# Altium PCB Hall Board.PcbDoc (part 3 of 4)
Units mil, origin at the board's own origin, x right, y up, seen from the top; angles counter-clockwise.
Board outline 5405 x 4190 mil, 4 copper layers (Top Layer, Internal Plane 1, Internal Plane 2, Bottom Layer), stack 18.2 mil thick; 428 components, 294 nets, 1249 pads, 155 vias.
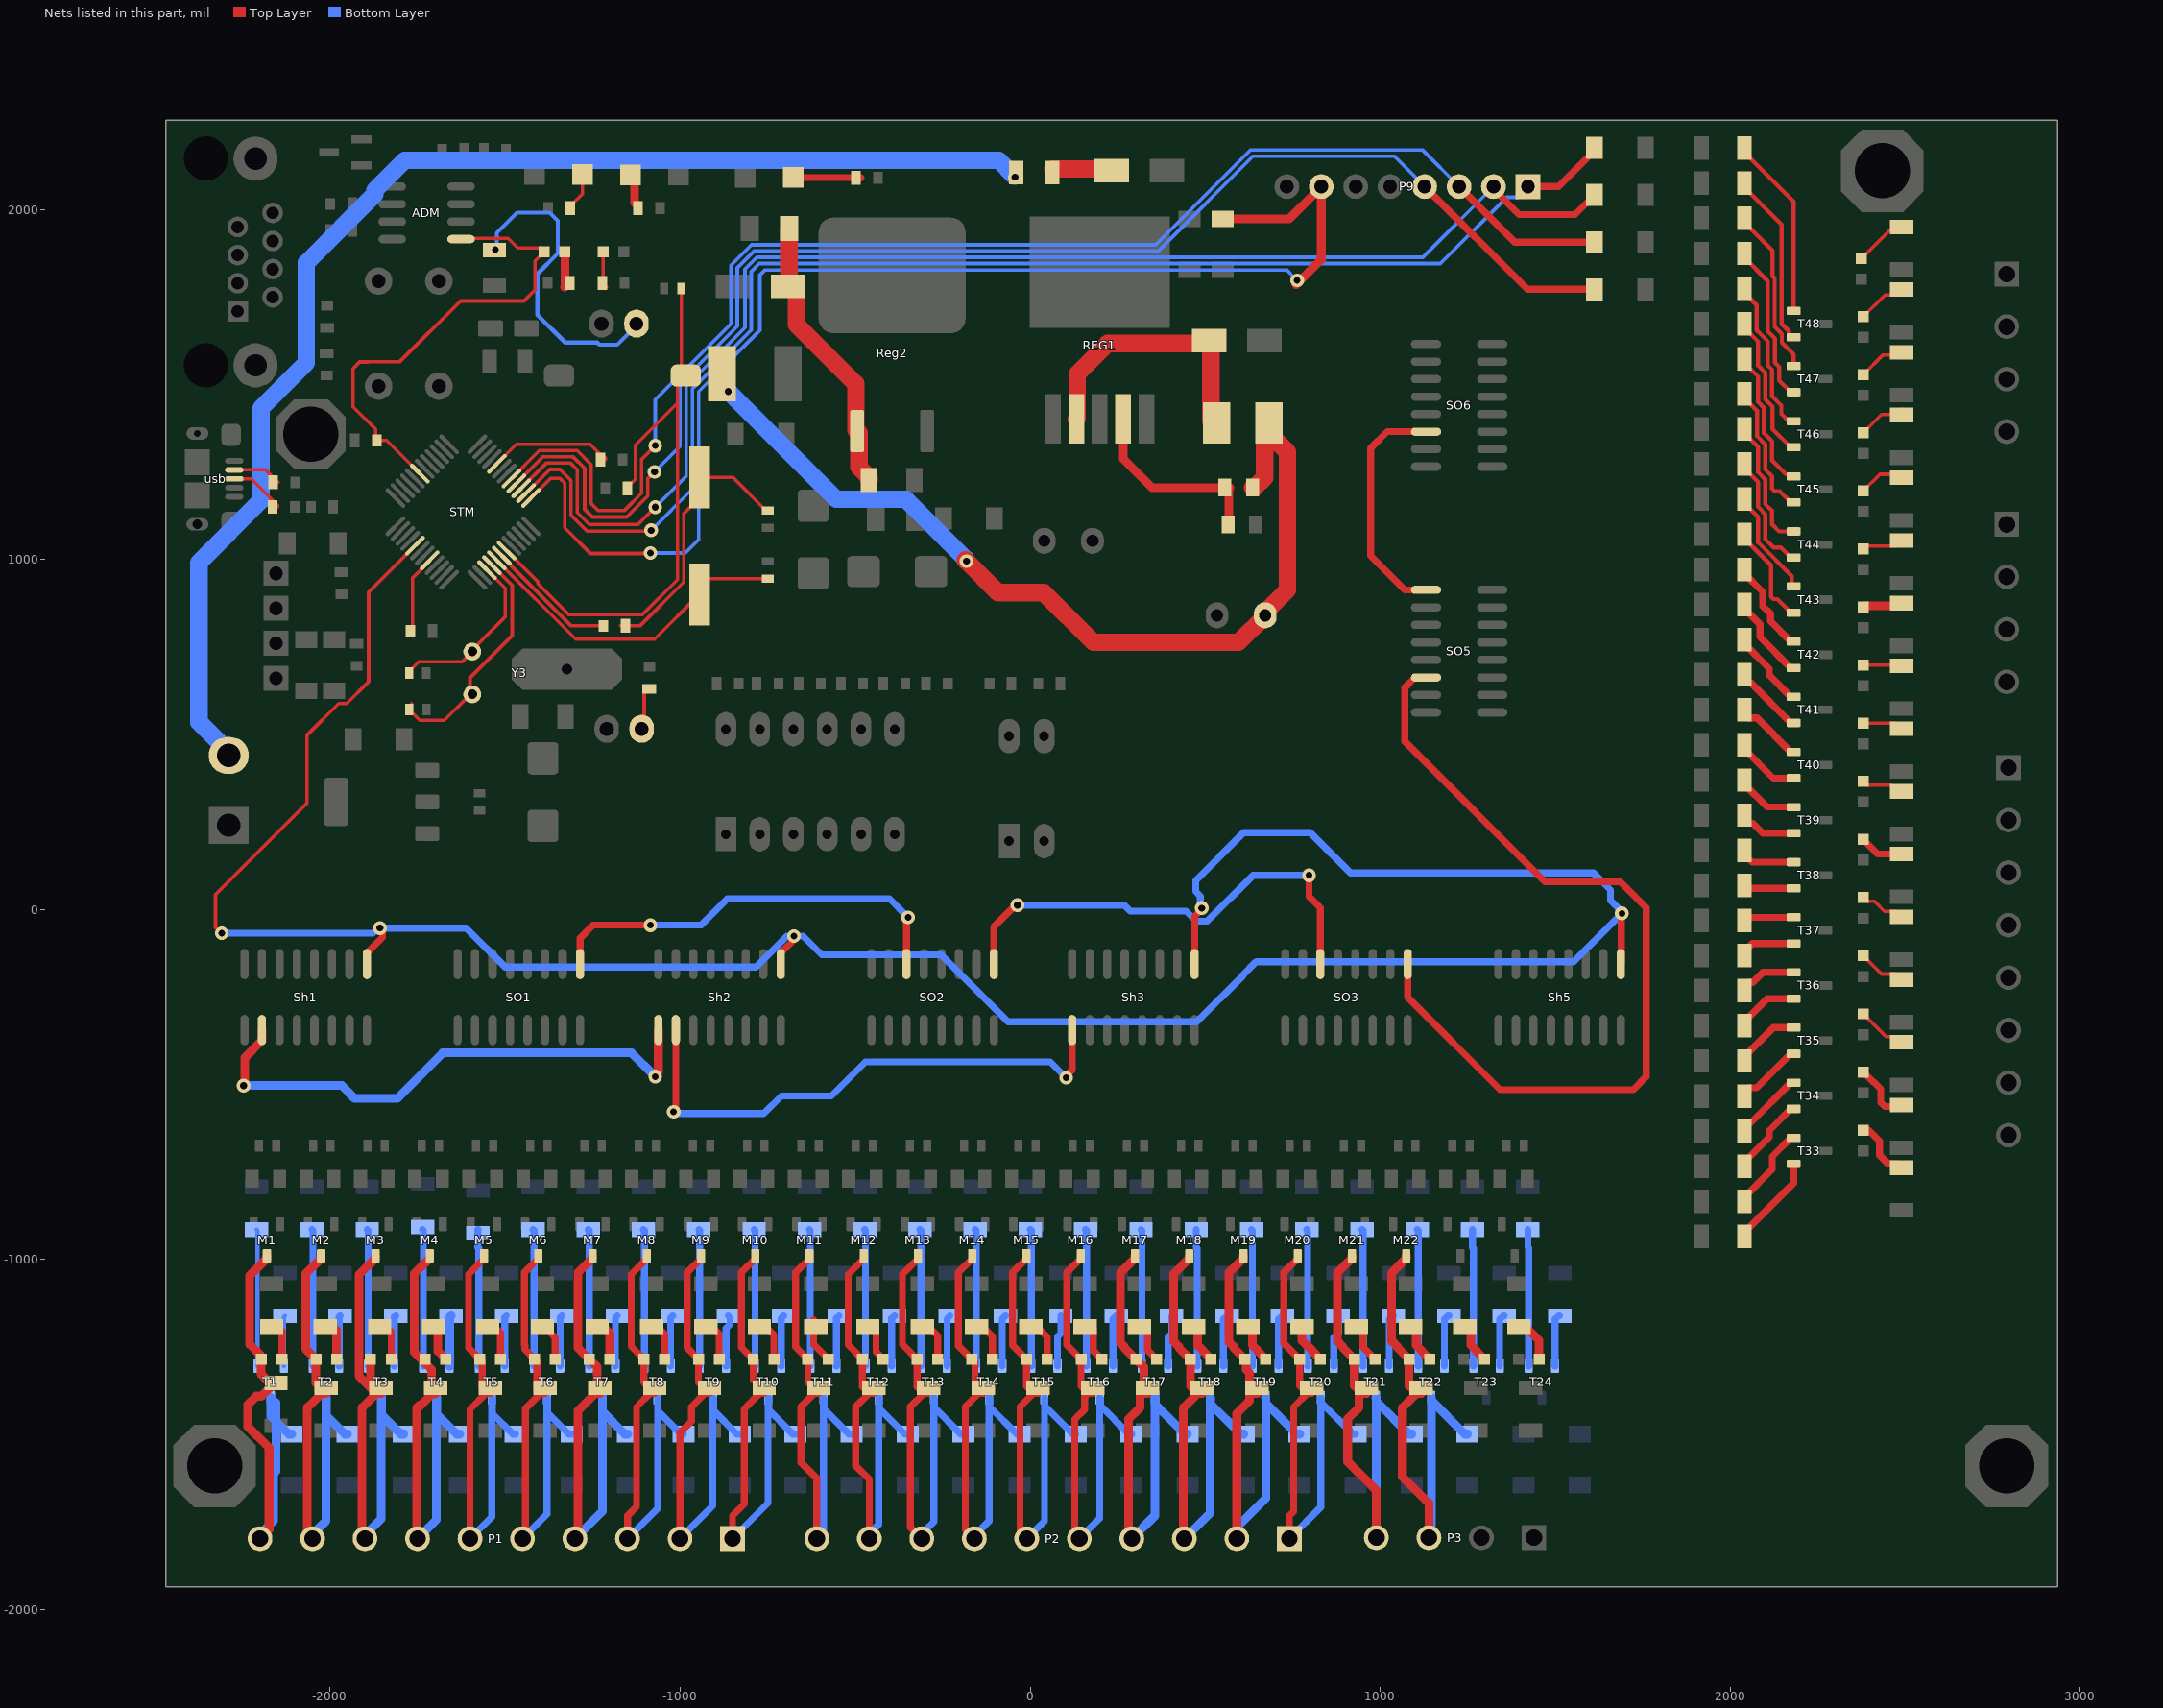
[diagram p5: the nets of this part, all layers, seen from the top]

## Via types
v1: diameter 39.37, hole 19.68, Top Layer to Bottom Layer, 154 vias
v2: diameter 78.74, hole 39.37, Top Layer to Bottom Layer, 1 vias

## Nets (pads, with @x,y where several pads share a name; then routed paths per layer and width w, separated by ;. In a path a pad name is that pad's centre, name@x,y a point inside that pad or via, vN(x,y) a via of type N, cw(c..) or ccw(c..) an arc to the next point about the centre after c; other vN are vias at no path point) (continued)
LoadPin: Sh1.1 Sh2.1 Sh3.1 Sh5.1 STM.41 | length 7696.2
  Top Layer w10: v1@-2305,-75 -2327.49,-52.51 -2327.49,42.55 -2065.96,304.08 -2065.96,498.41 -1976.16,588.2 -1952.68,588.2 -1890.05,650.83 -1890.05,906.71 STM.41@-1757.8,1038.96
  Top Layer w20: Sh1.1@-1895,-156.02 -1895,-124.53 -1850.43,-79.95 v1@-1850.43,-60 ; Sh2.1@-712.5,-156.02 -712.5,-124.53 v1@-664.25,-76.28 ; Sh3.1@470,-156.02 470,-19.6 v1@491.57,1.97 ; Sh5.1@1687.74,-156.02 1688.44,-155.33 1688.44,-13.66 v1(1690.5,-11.6)
  Bottom Layer w20: v1(-2310,-68.08) -1878.08,-68.08 -1863.34,-53.34 v1(-1858.1,-53.34) -1611.66,-53.34 -1500,-165 -783.58,-165 -694.86,-76.28 v1(-675,-76.28) -648.98,-76.28 -595.26,-130 -254.68,-130 -63.32,-321.35 475.77,-321.35 606.5,-190.62 606.5,-188.96 645.46,-150 1552.1,-150 v1(1690.5,-11.6) 1690.5,-6.36 1658.06,26.08 1658.06,55.62 1609.46,104.22 915,104.22 800.22,219 609.56,219 472.78,82.22 472.78,51.1 486.29,37.59 486.29,7.25 v1(490,3.54)
MISO: DZ14.2 P9.4 STM.16 | length 4068.1
  Top Layer w10: STM.16@-1468.28,1217.12 -1392.67,1292.73 -1305.61,1292.73 -1272.87,1260 -1272.87,1142.87 -1251.08,1121.08 -1152.74,1121.08 -1092.68,1181.14 -1092.68,1230.78 v1(-1073.46,1250)
  Top Layer w20: P9.4@1126.85,2065 1420.41,1771.44 DZ14.2@1612.16,1771.44
  Bottom Layer w10: v1(-1073.46,1250) -1000.59,1322.87 -1000.59,1502.03 -836.75,1665.87 -836.75,1832.97 -788.97,1880.75 365.78,1880.75 637.16,2152.13 1039.72,2152.13 P9.4@1126.85,2065
MOSI: DZ13.2 P9.3 STM.17 | length 4031
  Top Layer w10: STM.17@-1482.2,1231.04 -1402.64,1310.61 -1294.35,1310.61 -1255,1271.26 -1255,1160 -1235,1140 -1159.1,1140 -1110.56,1188.54 -1110.56,1285.9 v1(-1071.45,1325)
  Top Layer w20: P9.3@1225.28,2065 1384.15,1906.13 DZ13.2@1612.16,1906.13
  Bottom Layer w10: v1(-1071.45,1325) -1071.45,1456.44 -854.63,1673.27 -854.63,1840.37 -796.38,1898.62 358.38,1898.62 629.76,2170 1120.28,2170 P9.3@1225.28,2065
Net3.3V_2: 3.3V.2 R83.2 | length 103.6
  Top Layer w25: 3.3V.2@-1142.36,2098 -1130.43,2086.07 -1130.43,2019.33 -1120.44,2009.35 R83.2@-1120.44,2003.44
Net5V_2: 5V.2 R82.2 | length 111.4
  Top Layer w10: R82.2@-1314.46,2003.44 -1314.46,2009.35 -1278.72,2045.09 5V.2@-1278.72,2100
Net24V_2: 24V.2 R80.2 | length 193.4
  Top Layer w20: 24V.2@-676.69,2091.13 -676.12,2090.56 -484.34,2090.56 -483.77,2090
NetC7_1: C7.1 R8.2 Y2.1 | length 785.4
  Top Layer w10: -1170.95,810 -1115,810 -990,935 -990,1130.59 -945,1175.59 Y2.1@-945,1234.65 -850.07,1234.65 -754.92,1139.5 C7.1@-750,1139.5
NetC15_2: C15.2 STM.3 Y3.1 | length 496.8
  Top Layer w10: C15.2@-1774.5,680.37 -1746.98,707.89 -1623.02,707.89 -1600.8,730.1 -1600.8,735.15 -1500,835.95 -1500,917.07 -1551.79,968.87 STM.3@-1551.79,969.36
NetC16_2: C16.2 STM.4 Y3.2 | length 675.6
  Top Layer w10: -1767.69,588.19 -1767.69,563.8 -1743.88,540 -1673.9,540 -1600.8,613.1 -1600.8,661.48 -1480,782.28 -1480,925.4 STM.4@-1537.88,983.28
NetCM21_1: CM21.1 L5.1@-880.76,1530 LH4.2 RN1.1 | length 2655.4
  Top Layer w50: v1@-185,998.25 v1(-181.75,995) -91.75,905 38.55,905 180.67,762.87 595.19,762.87 671.38,839.06 CM21.1@671.38,840 671.38,849.06 735,912.68 735,1306.85 LH4.2@669.8,1372.05 ; RN1.1@634.96,1205 640.67,1205 669.8,1234.13 LH4.2@669.8,1372.05 ; LH4.2@669.8,1391.73 LH4.2@669.8,1372.05
  Bottom Layer w50: v1(-862.5,1479.82) -554.64,1171.95 -355.05,1171.95 -185,1001.91 v1@-185,998.25
NetCR1_1: CR1.1 DM2.2 DP1.2 Reg2.1 | length 829.2
  Top Layer w50: DM2.2@-693.6,1777.66 DM2.2@-691.26,1780 ; CR1.1@-688.9,1945 -689.49,1944.41 -689.49,1781.77 DM2.2@-691.26,1780 ; DM2.2@-687.53,1777.66 -686.94,1777.07 DM2.2@-686.94,1775.32 ; DP1.2@-460.62,1226.65 -460.62,1234.72 -489.47,1263.57 -489.47,1361.37 Reg2.1@-494.47,1366.37 -498.17,1370.07 -498.17,1501.37 -668.34,1671.54 -668.34,1771.54 -676.81,1780 DM2.2@-691.26,1780
NetDM3_2: DM3.2 LH4.1 REG1.2 | length 783.6
  Top Layer w50: REG1.2@131.62,1401.06 133.98,1403.42 133.98,1529.88 220.63,1616.54 503.1,1616.54 DM3.2@511.57,1625 515.88,1620.68 515.88,1396.05 LH4.1@520.2,1391.73
NetDM6_1: DM6.1 F3.2 | length 146.1
  Top Layer w50: F3.2@65,2115 DM6.1@211.13,2115
NetF3_1: F3.1 PO.2 | length 3739.5
  Bottom Layer w50: PO.2@-2290,440 -2290,449.88 -2375,534.88 -2375,991.01 -2197.42,1168.59 -2197.42,1432.58 -2068.25,1561.75 -2068.25,1847.18 -1872.1,2043.33 -1872.1,2055 -1787.1,2140 -90,2140 v1@-45,2095
  other v1: -43.27,2091.66
NetJP1_1: JP1.1 RM1.2 | length 893.2
  Bottom Layer w12: v1@-1534.71,1890 -1523.87,1900.84 -1523.87,1932.76 -1466.12,1990.5 -1373.3,1990.5 -1349.87,1967.08 -1349.87,1873.99 -1407.91,1815.95 -1407.91,1698.73 -1328.79,1619.6 -1237.12,1619.6 -1231.01,1613.5 -1179.98,1613.5 -1125,1668.48 JP1.1@-1125,1673.48
  other v1: -1528.06,1884.59
NetL1_1: L1.1 RR1.2 | length 118.1
  Top Layer w20: RR1.2@-2168.68,-1187.13 -2155.88,-1187.13 -2152.36,-1190.65 -2138,-1205.01 L1.1@-2138,-1285
NetL2_1: L2.1 RR2.2 | length 121.1
  Top Layer w25: RR2.2@-2013.68,-1187.13 -2000.88,-1187.13 -1986.24,-1201.77 -1981.83,-1201.77 L2.1@-1981.83,-1285
NetL3_1: L3.1 RR3.2 | length 119
  Top Layer w20: RR3.2@-1858.68,-1187.13 -1845.88,-1187.13 -1842.36,-1190.65 -1825.67,-1207.34 L3.1@-1825.67,-1285
NetL4_1: L4.1 RR4.2 | length 99.2
  Top Layer w25: RR4.2@-1693.76,-1195 RR4.2@-1693.76,-1183.33 ; RR4.2@-1692.44,-1206.97 -1692.44,-1262.07 L4.1@-1669.51,-1285
NetL5_1: L5.1@-1513.34,-1285 RR5.2 | length 120
  Top Layer w20: RR5.2@-1548.68,-1187.13 -1535.88,-1187.13 -1532.36,-1190.65 -1513.34,-1209.67 L5.1@-1513.34,-1285
NetL6_1: L6.1 RR6.2 | length 120.5
  Top Layer w20: RR6.2@-1393.68,-1187.13 -1380.88,-1187.13 -1370.21,-1197.8 -1370.21,-1210.59 -1357.18,-1223.63 L6.1@-1357.18,-1285
NetL7_1: L7.1 RR7.2 | length 121
  Top Layer w25: RR7.2@-1238.68,-1187.13 -1225.88,-1187.13 -1201.02,-1211.99 L7.1@-1201.02,-1285
NetL8_1: L8.1 RR8.2 | length 121.5
  Top Layer w20: RR8.2@-1083.68,-1187.13 -1070.88,-1187.13 -1067.36,-1190.65 -1044.85,-1213.16 L8.1@-1044.85,-1285
NetL9_1: L9.1 RR9.2 | length 121.9
  Top Layer w20: RR9.2@-928.68,-1187.13 -915.88,-1187.13 -912.36,-1190.65 -888.69,-1214.32 L9.1@-888.69,-1285
NetL10_1: L10.1 RR10.2 | length 122.4
  Top Layer w20: RR10.2@-773.68,-1187.13 -760.88,-1187.13 -757.36,-1190.65 -732.53,-1215.48 L10.1@-732.53,-1285
NetL11_1: L11.1 RR11.2 | length 115.4
  Top Layer w20: RR11.2@-618.92,-1192.05 RR11.2@-618.92,-1172.2 ; RR11.2@-618.68,-1206.97 -618.68,-1242.68 L11.1@-576.36,-1285
NetL12_1: L12.1 RR12.2 | length 123.4
  Top Layer w20: RR12.2@-463.68,-1187.13 -450.88,-1187.13 -440.21,-1197.8 -440.21,-1264.98 L12.1@-420.2,-1285
NetL13_1: L13.1 RR13.2 | length 123.9
  Top Layer w20: RR13.2@-308.68,-1187.13 -295.88,-1187.13 -264.04,-1218.97 L13.1@-264.04,-1285
NetL14_1: L14.1 RR14.2 | length 124.3
  Top Layer w20: RR14.2@-153.68,-1187.13 -140.88,-1187.13 -107.87,-1220.14 L14.1@-107.87,-1285
NetL15_1: L15.1 RR15.2 | length 124.8
  Top Layer w20: RR15.2@1.32,-1187.13 14.12,-1187.13 48.29,-1221.3 L15.1@48.29,-1285
NetL16_1: L16.1 RR16.2 | length 125.3
  Top Layer w20: RR16.2@156.32,-1187.13 169.12,-1187.13 179.79,-1197.8 179.79,-1260.33 L16.1@204.46,-1285
NetL17_1: L17.1 RR17.2 | length 125.8
  Top Layer w20: RR17.2@311.32,-1187.13 324.12,-1187.13 334.79,-1197.8 334.79,-1259.17 L17.1@360.62,-1285
NetL18_1: L18.1 RR18.2 | length 121
  Top Layer w25: RR18.2@466.32,-1187.13 470.16,-1187.13 478.33,-1195.3 478.33,-1245.3 493.85,-1260.81 493.85,-1262.07 L18.1@516.78,-1285
NetL19_1: L19.1 RR19.2 | length 122.2
  Top Layer w25: RR19.2@621.32,-1187.13 626.33,-1187.13 634.49,-1195.3 634.49,-1245.3 650.01,-1260.81 650.01,-1262.07 L19.1@672.95,-1285
NetL20_1: L20.1 RR20.2 | length 120.5
  Top Layer w25: RR20.2@776.32,-1187.13 776.32,-1232.21 792.99,-1248.88 794.24,-1248.88 806.18,-1260.81 806.18,-1262.07 L20.1@829.11,-1285
NetL21_1: L21.1 RR21.2 | length 125.6
  Top Layer w20: RR21.2@931.32,-1187.13 940.57,-1187.13 951.24,-1197.8 951.24,-1250.97 L21.1@985.27,-1285
NetL22_1: L22.1 RR22.2 | length 125.7
  Top Layer w25: RR22.2@1086.32,-1187.13 1094.82,-1187.13 1102.99,-1195.3 1102.99,-1245.3 1118.5,-1260.81 1118.5,-1262.07 L22.1@1141.44,-1285
NetL23_1: L23.1 RR23.2 | length 126.8
  Top Layer w25: RR23.2@1241.32,-1187.13 1250.98,-1187.13 1259.15,-1195.3 1259.15,-1245.3 1274.67,-1260.81 1274.67,-1262.07 L23.1@1297.6,-1285
NetL24_1: L24.1 RR24.2 | length 129.2
  Top Layer w25: RR24.2@1396.32,-1187.13 1409.12,-1187.13 1453.74,-1231.75 L24.1@1453.74,-1284.98
NetO1_1: O1.1 RH1.1 | length 165.5
  Top Layer w20: O1.1@2393.31,-628.87 2426.49,-662.05 2426.49,-702.35 2451.43,-727.28 2479.33,-727.28 RH1.1@2490,-737.95
NetO2_1: O2.1 RH2.1 | length 190.6
  Top Layer w10: O2.1@2380,-464.47 O2.1@2390.75,-453.72
  Top Layer w20: O2.1@2380,-464.47 2408.68,-493.15 2410.31,-493.15 2430,-512.84 2430,-551.51 2441.72,-563.23 2485.53,-563.23 RH2.1@2490,-558.76
NetO3_1: O3.1 RH3.1 | length 158.8
  Top Layer w10: O3.1@2390.75,-287.72 O3.1@2380,-298.47 2445.42,-363.89 2474.33,-363.89 RH3.1@2490,-379.56
NetO4_1: O4.1 RH4.1 | length 138.1
  Top Layer w10: O4.1@2380,-132.47 2432.22,-184.69 2474.33,-184.69 RH4.1@2490,-200.36
NetO5_1: O5.1 RH5.1 | length 132.7
  Top Layer w10: O5.1@2380,33.53 2390.75,22.78 2412,22.78 2440.28,-5.5 2474.33,-5.5 RH5.1@2490,-21.17
NetO6_1: O6.1 RH6.1 | length 127.2
  Top Layer w20: O6.1@2380,199.53 2421.5,158.03 RH6.1@2490,158.03
NetO7_1: O7.1 RH7.1 | length 121.7
  Top Layer w10: O7.1@2380,365.53 2390.75,354.78 2459.65,354.78 2477.2,337.23 RH7.1@2490,337.23
NetO8_1: O8.1 RH8.1 | length 116.3
  Top Layer w10: O8.1@2380,531.53 2474.89,531.53 RH8.1@2490,516.42
NetO9_1: O9.1 RH9.1 | length 110.8
  Top Layer w10: O9.1@2380,697.53 2488.09,697.53 RH9.1@2490,695.62
NetO10_1: O10.1 RH10.1 | length 114.7
  Top Layer w25: O10.1@2380,863.53 2383.25,866.78 2481.96,866.78 RH10.1@2490,874.82
NetO11_1: O11.1 RH11.1 | length 120.1
  Top Layer w10: O11.1@2380,1029.53 2388.81,1038.34 2474.33,1038.34 RH11.1@2490,1054.01
NetO12_1: O12.1 RH12.1 | length 114.1
  Top Layer w10: O12.1@2380,1195.53 2427.7,1243.23 RH12.1@2474.33,1243.23
NetO13_1: O13.1 RH13.1 | length 138.1
  Top Layer w10: O13.1@2380,1361.53 2432.25,1413.78 2474.33,1413.78 RH13.1@2490,1429.45
NetO14_1: O14.1 RH14.1 | length 140
  Top Layer w10: O14.1@2380,1527.53 2436.8,1584.33 2474.33,1584.33 RH14.1@2490,1600
NetO15_1: O15.1 RH15.1 | length 141.9
  Top Layer w10: O15.1@2380,1693.53 2441.35,1754.89 2474.33,1754.89 RH15.1@2490,1770.55
NetO16_1: O16.1 RH16.1 | length 148.8
  Top Layer w10: O16.1@2375,1859.53 2456.57,1941.11 RH16.1@2490,1941.11
NetR1_2: R1.2 STM.20 | length 353.9
  Top Layer w10: STM.20@-1523.96,1272.8 -1468.28,1328.48 -1257.47,1328.48 -1225.72,1296.73 -1220.8,1296.73 -1213.99,1289.92 -1213.99,1285
NetR2_1: R2.1 STM.44 | length 211.8
  Top Layer w10: R2.1@-1765,805.67 -1765,946.96 -1716.04,995.92 STM.44@-1716.04,997.2
NetR5_2: R5.2 usb.2 | length 140
  Top Layer w10: usb.2@-2274.18,1255.67 -2184.66,1255.67 -2148.99,1220
NetR6_2: R6.2 usb.3 | length 160.2
  Top Layer w10: usb.3@-2274.18,1230.08 -2225.16,1230.08 -2150,1154.92 -2150,1150
NetR30_2: R30.2 SPD.1 | length 126.6
  Top Layer w10: SPD.1@-1110,515.85 -1102.88,522.97 -1102.88,621.22 -1094.1,630 R30.2@-1088.19,630
NetR60_2: R60.2 Tx.2 | length 105.2
  Top Layer w10: Tx.2@-1220.03,1879.17 -1220.03,1786.67 R60.2@-1211.06,1777.7
NetR61_2: R61.2 Rx.2 | length 101.7
  Top Layer w25: -1330.08,1777.7 -1329.54,1778.23 Rx.2@-1329.54,1879.17
NetREG1_4: REG1.4 RN1.2 RN2.1 | length 559.1
  Top Layer w25: REG1.4@265.48,1401.06 265.48,1287.32 347.8,1205 570,1205 567.67,1202.67 567.67,1102.49 RN2.1@565.34,1100.16
NetRF1_1: RF1.1 T1.1 | length 390.5
  Bottom Layer w12: RF1.1@-2210,-915 -2207.4,-917.6 T1.1@-2207.4,-1304.45
NetRF2_1: RF2.1 T2.1 | length 390.5
  Bottom Layer w20: RF2.1@-2052.1,-915 -2049.5,-917.6 T2.1@-2049.5,-1304.45
NetRF3_1: RF3.1 T3.1 | length 390.5
  Bottom Layer w20: RF3.1@-1894.19,-915 -1891.6,-917.6 T3.1@-1891.6,-1304.45
NetRF4_1: RF4.1 T4.1 | length 390.5
  Bottom Layer w20: RF4.1@-1736.29,-915 -1733.69,-917.6 T4.1@-1733.69,-1304.45
NetRF5_1: RF5.1 T5.1 | length 390.5
  Bottom Layer w20: RF5.1@-1578.39,-915 -1578.39,-965.67 -1575.79,-968.27 T5.1@-1575.79,-1304.45
NetRF6_1: RF6.1 T6.1 | length 390.5
  Bottom Layer w20: RF6.1@-1420.48,-915 -1417.89,-917.6 T6.1@-1417.89,-1304.45
NetRF7_1: RF7.1 T7.1 | length 390.5
  Bottom Layer w20: RF7.1@-1262.58,-915 -1259.98,-917.6 T7.1@-1259.98,-1304.45
NetRF8_1: RF8.1 T8.1 | length 390.5
  Bottom Layer w20: RF8.1@-1104.68,-915 -1102.08,-917.6 T8.1@-1102.08,-1304.45
NetRF9_1: RF9.1 T9.1 | length 390.5
  Bottom Layer w20: RF9.1@-946.77,-915 -944.18,-917.6 T9.1@-944.18,-1304.45
NetRF10_1: RF10.1 T10.1 | length 390.5
  Bottom Layer w20: RF10.1@-788.87,-915 -786.27,-917.6 T10.1@-786.27,-1304.45
NetRF11_1: RF11.1 T11.1 | length 390.5
  Bottom Layer w20: RF11.1@-630.97,-915 -628.37,-917.6 T11.1@-628.37,-1304.45
NetRF12_1: RF12.1 T12.1 | length 390.5
  Bottom Layer w20: RF12.1@-473.06,-915 -470.47,-917.6 T12.1@-470.47,-1304.45
NetRF13_1: RF13.1 T13.1 | length 390.5
  Bottom Layer w20: RF13.1@-315.16,-915 -312.56,-917.6 T13.1@-312.56,-1304.45
NetRF14_1: RF14.1 T14.1 | length 390.5
  Bottom Layer w20: RF14.1@-157.26,-915 -154.66,-917.6 T14.1@-154.66,-1304.45
NetRF15_1: RF15.1 T15.1 | length 390.5
  Bottom Layer w20: RF15.1@0.64,-915 3.24,-917.6 T15.1@3.24,-1304.45
NetRF16_1: RF16.1 T16.1 | length 390.5
  Bottom Layer w20: RF16.1@158.55,-915 161.15,-917.6 T16.1@161.15,-1304.45
NetRF17_1: RF17.1 T17.1 | length 390.5
  Bottom Layer w20: RF17.1@316.45,-915 319.05,-917.6 T17.1@319.05,-1304.45
NetRF18_1: RF18.1 T18.1 | length 390.5
  Bottom Layer w20: RF18.1@474.35,-915 474.35,-965.67 476.95,-968.27 T18.1@476.95,-1304.45
NetRF19_1: RF19.1 T19.1 | length 390.5
  Bottom Layer w20: RF19.1@632.26,-915 634.86,-917.6 T19.1@634.86,-1304.45
NetRF20_1: RF20.1 T20.1 | length 390.5
  Bottom Layer w20: RF20.1@790.16,-915 792.76,-917.6 T20.1@792.76,-1304.45
NetRF21_1: RF21.1 T21.1 | length 390.5
  Bottom Layer w20: RF21.1@948.06,-915 950.66,-917.6 T21.1@950.66,-1304.45
NetRF22_1: RF22.1 T22.1 | length 390.5
  Bottom Layer w20: RF22.1@1105.97,-915 1108.57,-917.6 T22.1@1108.57,-1304.45
NetRF23_1: RF23.1 T23.1 | length 390.5
  Bottom Layer w20: RF23.1@1263.87,-915 1263.87,-965.67 1266.47,-968.27 T23.1@1266.47,-1304.45
NetRF24_1: RF24.1 T24.1 | length 390.5
  Bottom Layer w20: RF24.1@1421.77,-915 1421.77,-965.67 1424.37,-968.27 T24.1@1424.37,-1304.45
NetRF33_1: RF33.1 T33.1 | length 244.2
  Top Layer w20: RF33.1@2041.1,-834.14 2041.1,-821.35 2120,-742.45 2120,-705.86 2173.26,-652.6 T33.1@2181.13,-652.6
NetRF34_1: RF34.1 T34.1 | length 204.9
  Top Layer w20: RF34.1@2041.1,-633.53 2041.1,-620.74 2051.77,-610.07 2058.29,-610.07 2173.26,-495.1 T34.1@2181.13,-495.1
NetRF35_1: RF35.1 T35.1 | length 187
  Top Layer w20: RF35.1@2041.1,-432.92 2041.1,-420.13 2123.63,-337.6 T35.1@2181.13,-337.6
NetRF36_1: RF36.1 T36.1 | length 169.2
  Top Layer w20: RF36.1@2041.1,-232.32 2041.1,-219.52 2051.77,-208.85 2064.57,-208.85 2093.32,-180.1 T36.1@2181.13,-180.1
NetRF37_1: RF37.1 T37.1 | length 143.8
  Top Layer w20: RF37.1@2041.1,-31.71 2050.21,-22.6 T37.1@2181.13,-22.6
NetRF38_1: RF38.1 T38.1 | length 161.6
  Top Layer w20: RF38.1@2041.1,168.9 2041.1,156.11 2062.31,134.9 T38.1@2181.13,134.9
NetRF39_1: RF39.1 T39.1 | length 179.5
  Top Layer w20: RF39.1@2041.1,369.51 2041.1,356.72 2105.42,292.4 T39.1@2181.13,292.4
NetRF40_1: RF40.1 T40.1 | length 197.3
  Top Layer w20: RF40.1@2041.1,570.12 2041.1,557.33 2051.77,546.66 2076.51,546.66 2173.26,449.91 T40.1@2181.13,449.91
NetRF41_1: RF41.1 T41.1 | length 225.9
  Top Layer w20: RF41.1@2041.1,770.73 2041.1,757.94 2111.61,687.43 2111.61,669.06 2173.26,607.41 T41.1@2181.13,607.41
NetRF42_1: RF42.1 T42.1 | length 269.1
  Top Layer w20: RF42.1@2041.1,971.34 2041.1,958.55 2092.71,906.94 2092.71,866.7 2115,844.41 2115,823.17 2173.26,764.91 T42.1@2181.13,764.91
NetRF43_1: RF43.1 T43.1 | length 307.5
  Top Layer w12: RF43.1@2041.1,1171.95 2041.1,1159.16 2080,1120.26 2080,1048.06 2175.84,952.22 2175.84,927.7 T43.1@2181.13,922.41
NetRF44_1: RF44.1 T44.1 | length 375.1
  Top Layer w12: RF44.1@2041.1,1372.56 2041.1,1359.77 2080,1320.87 2080,1248.67 2099.87,1228.8 2099.87,1158.23 2119.75,1138.36 2119.75,1099.59 2139.43,1079.91 T44.1@2181.13,1079.91
NetRF45_1: RF45.1 T45.1 | length 403.4
  Top Layer w12: RF45.1@2041.1,1573.17 2041.1,1560.38 2080,1521.48 2080,1449.28 2096.38,1432.9 2096.38,1360.7 2119.75,1337.33 2119.75,1282.34 2158.87,1243.22 2167.45,1243.22 2173.26,1237.41 T45.1@2181.13,1237.41
NetRF46_1: RF46.1 T46.1 | length 445.3
  Top Layer w12: RF46.1@2041.1,1773.78 2041.1,1760.99 2075.65,1726.44 2075.65,1655 2087.22,1643.42 2107.83,1622.82 2107.83,1553.77 2119.75,1541.84 2119.75,1465.74 2146.06,1439.43 2146.06,1415.55 2166.7,1394.91 T46.1@2181.13,1394.91
NetRF47_1: RF47.1 T47.1 | length 480
  Top Layer w12: RF47.1@2041.1,1974.39 2041.1,1961.6 2120.74,1881.96 2120.74,1809.76 2126.97,1803.53 2126.97,1665 2147.57,1644.4 2147.57,1619.28 2181.13,1585.72 T47.1@2181.13,1552.41
NetRF48_1: RF48.1 T48.1 | length 523.1
  Top Layer w12: RF48.1@2041.1,2175 2041.1,2162.2 2181.13,2022.17 T48.1@2181.13,1709.91
NetRX1_1: RX1.1 T1.2 | length 144.5
  Bottom Layer w12: T1.2@-2132.6,-1304.45 -2132.6,-1163.93 RX1.1@-2129.77,-1161.1
NetRX2_1: RX2.1 T2.2 | length 144.7
  Bottom Layer w20: T2.2@-1974.7,-1304.45 -1974.7,-1164.4 RX2.1@-1971.4,-1161.1
NetRX3_1: RX3.1 T3.2 | length 144.9
  Bottom Layer w20: T3.2@-1816.79,-1304.45 -1816.79,-1164.87 RX3.1@-1813.03,-1161.1
NetRX4_1: RX4.1 T4.2 | length 145.1
  Bottom Layer w25: T4.2@-1658.89,-1304.45 -1658.2,-1303.76 -1658.2,-1164.65 RX4.1@-1654.65,-1161.1
NetRX5_1: RX5.1 T5.2 | length 145.3
  Bottom Layer w20: T5.2@-1500.99,-1304.45 -1500.99,-1165.8 RX5.1@-1496.28,-1161.1
NetRX6_1: RX6.1 T6.2 | length 145.5
  Bottom Layer w20: T6.2@-1343.08,-1304.45 -1343.08,-1166.27 RX6.1@-1337.91,-1161.1
NetRX7_1: RX7.1 T7.2 | length 145.7
  Bottom Layer w20: T7.2@-1185.18,-1304.45 -1185.18,-1166.74 RX7.1@-1179.54,-1161.1
NetRX8_1: RX8.1 T8.2 | length 145.9
  Bottom Layer w20: T8.2@-1027.28,-1304.45 -1027.28,-1167.21 RX8.1@-1021.17,-1161.1
NetRX9_1: RX9.1 T9.2 | length 150.6
  Bottom Layer w20: T9.2@-869.37,-1304.45 -869.37,-1197.08 -857.3,-1185 -857.3,-1166.61 RX9.1@-862.8,-1161.1
NetRX10_1: RX10.1 T10.2 | length 146.3
  Bottom Layer w20: T10.2@-711.47,-1304.45 -711.47,-1168.14 RX10.1@-704.43,-1161.1
NetRX11_1: RX11.1 T11.2 | length 146.5
  Bottom Layer w20: T11.2@-553.57,-1304.45 -553.57,-1168.61 RX11.1@-546.06,-1161.1
NetRX12_1: RX12.1 T12.2 | length 146.6
  Bottom Layer w20: T12.2@-395.66,-1304.45 -395.66,-1169.08 RX12.1@-387.69,-1161.1
NetRX13_1: RX13.1 T13.2 | length 146.8
  Bottom Layer w20: T13.2@-237.76,-1304.45 -237.76,-1169.54 RX13.1@-229.32,-1161.1
NetRX14_1: RX14.1 T14.2 | length 147
  Bottom Layer w20: T14.2@-79.86,-1304.45 -79.86,-1170.01 RX14.1@-70.95,-1161.1
NetRX15_1: RX15.1 T15.2 | length 147.2
  Bottom Layer w20: T15.2@78.05,-1304.45 78.05,-1221.15 87.42,-1211.77 RX15.1@87.42,-1161.1
NetRX16_1: RX16.1 T16.2 | length 147.4
  Bottom Layer w20: T16.2@235.95,-1304.45 235.95,-1170.94 RX16.1@245.79,-1161.1
NetRX17_1: RX17.1 T17.2 | length 147.6
  Bottom Layer w20: T17.2@393.85,-1304.45 393.85,-1222.08 404.16,-1211.77 RX17.1@404.16,-1161.1
NetRX18_1: RX18.1 T18.2 | length 147.9
  Bottom Layer w20: T18.2@551.76,-1304.45 551.76,-1171.77 562.43,-1161.1 RX18.1@562.53,-1161.1
NetRX19_1: RX19.1 T19.2 | length 148.3
  Bottom Layer w20: T19.2@709.66,-1304.45 709.66,-1171.77 720.33,-1161.1 RX19.1@720.9,-1161.1
NetRX20_1: RX20.1 T20.2 | length 148.2
  Bottom Layer w20: T20.2@867.56,-1304.45 867.56,-1223.48 879.27,-1211.77 RX20.1@879.27,-1161.1
NetRX21_1: RX21.1 T21.2 | length 149.3
  Bottom Layer w20: T21.2@1025.47,-1304.45 1025.47,-1171.77 1036.14,-1161.1 RX21.1@1037.65,-1161.1
NetRX22_1: RX22.1 T22.2 | length 149.7
  Bottom Layer w20: T22.2@1183.37,-1304.45 1183.37,-1171.77 1194.04,-1161.1 RX22.1@1196.02,-1161.1
NetRX23_1: RX23.1 T23.2 | length 150.2
  Bottom Layer w20: T23.2@1341.27,-1304.45 1341.27,-1171.77 1351.94,-1161.1 RX23.1@1354.39,-1161.1
NetRX24_1: RX24.1 T24.2 | length 150.7
  Bottom Layer w20: T24.2@1499.18,-1304.45 1499.18,-1171.77 1509.85,-1161.1 RX24.1@1512.76,-1161.1
NetRX33_1: RX33.1 T33.2 | length 265
  Top Layer w20: RX33.1@2041.1,-934.45 2041.1,-921.65 2181.13,-781.62 T33.2@2181.13,-727.4
NetRX34_1: RX34.1 T34.2 | length 226.6
  Top Layer w20: RX34.1@2041.1,-733.84 2041.1,-721.04 2111.61,-650.54 2111.61,-631.55 2173.26,-569.9 T34.2@2181.13,-569.9
NetRX35_1: RX35.1 T35.2 | length 197.6
  Top Layer w20: RX35.1@2041.1,-533.23 2041.1,-520.43 2051.77,-509.76 2075.9,-509.76 2173.26,-412.4 T35.2@2181.13,-412.4
NetRX36_1: RX36.1 T36.2 | length 179.7
  Top Layer w20: RX36.1@2041.1,-332.62 2041.1,-319.82 2106.03,-254.9 T36.2@2181.13,-254.9
NetRX37_1: RX37.1 T37.2 | length 161.9
  Top Layer w20: RX37.1@2041.1,-132.01 2041.1,-119.21 2062.92,-97.4 T37.2@2181.13,-97.4
NetRX38_1: RX38.1 T38.2 | length 143.6
  Top Layer w20: RX38.1@2041.1,68.6 2049.6,60.1 T38.2@2181.13,60.1
NetRX39_1: RX39.1 T39.2 | length 168.9
  Top Layer w20: RX39.1@2041.1,269.21 2041.1,256.41 2051.77,245.74 2064.57,245.74 2092.71,217.6 T39.2@2181.13,217.6
NetRX40_1: RX40.1 T40.2 | length 186.8
  Top Layer w20: RX40.1@2041.1,469.82 2041.1,457.02 2123.02,375.1 T40.2@2181.13,375.1
NetRX41_1: RX41.1 T41.2 | length 204.6
  Top Layer w20: RX41.1@2041.1,670.43 2041.1,657.63 2051.77,646.96 2058.9,646.96 2173.26,532.6 T41.2@2181.13,532.6
NetRX42_1: RX42.1 T42.2 | length 243.6
  Top Layer w20: RX42.1@2041.1,871.04 2041.1,858.24 2085,814.34 2085,778.36 2173.26,690.1 T42.2@2181.13,690.1
NetRX43_1: RX43.1 T43.2 | length 292.9
  Top Layer w12: RX43.1@2041.1,1071.65 2041.1,1058.85 2116.58,983.37 2116.58,893.61 2123.61,886.58 2134.28,886.58 2173.26,847.6 T43.2@2181.13,847.6
NetRX44_1: RX44.1 T44.2 | length 341.9
  Top Layer w12: RX44.1@2041.1,1272.26 2041.1,1259.46 2080,1220.56 2080,1150 2092.71,1137.29 2092.71,1135.66 2099.87,1128.49 2099.87,1057.84 2123.33,1034.38 2143.99,1034.38 2173.26,1005.1 T44.2@2181.13,1005.1
NetRX45_1: RX45.1 T45.2 | length 381.1
  Top Layer w12: RX45.1@2041.1,1472.87 2041.1,1460.07 2076.51,1424.67 2076.51,1352.47 2099.87,1329.1 2099.87,1256.9 2119.75,1237.03 2119.75,1202.03 2126.78,1195 2140.86,1195 2173.26,1162.6 T45.2@2181.13,1162.6
NetRX46_1: RX46.1 T46.2 | length 416
  Top Layer w12: RX46.1@2041.1,1673.48 2041.1,1660.68 2080,1621.78 2080,1553.49 2099.87,1533.61 2099.87,1457.51 2120.38,1437 2120.38,1372.98 2173.26,1320.1 T46.2@2181.13,1320.1
NetRX47_1: RX47.1 T47.2 | length 459.1
  Top Layer w12: RX47.1@2041.1,1874.09 2041.1,1861.29 2107.1,1795.29 2107.1,1651.65 2127.7,1631.05 2127.7,1562 2139.62,1550.08 2139.62,1511.24 2173.26,1477.61 T47.2@2181.13,1477.61
NetRX48_1: RX48.1 T48.2 | length 502.2
  Top Layer w12: RX48.1@2041.1,2074.7 2041.1,2061.9 2146.85,1956.16 2146.85,1673.23 2167.45,1652.63 2167.45,1640.92 2173.26,1635.11 T48.2@2181.13,1635.11
NetSh1_10: Sh1.10 Sh2.9 | length 1583.7
  Top Layer w25: v1@-2244.45,-500 -2244.45,-424.57 -2195,-375.12 Sh1.10@-2195,-345 ; v1@-1074.13,-475.1 -1062.5,-463.47 Sh2.9@-1062.5,-345
  Bottom Layer w25: v1(-2247.67,-503.34) -1966.66,-503.34 -1930,-540 -1808.55,-540 -1678.55,-410 -1139.22,-410 v1(-1071.45,-477.77)
NetSh2_10: Sh2.10 Sh3.9 | length 1579.6
  Top Layer w20: v1@-1017.61,-583.34 -1012.5,-578.23 Sh2.10@-1012.5,-345 ; v1@98.15,-480 120,-458.15 Sh3.9@120,-345
  Bottom Layer w20: v1@-1012.32,-583.4 -761.26,-583.4 -710.81,-532.95 -567.94,-532.95 -470.47,-435.48 57.33,-435.48 v1(102.68,-480.82)
  other v1: -1018.99,-578.4
NetSO1_9: SO1.9 SO2.14 | length 1217
  Top Layer w20: SO1.9@-1286.23,-156.02 -1286.23,-82.14 -1249.09,-45 v1(-1085,-45) ; SO2.14@-353.73,-156.02 -353.73,-22.14 v1@-351.59,-20
  Bottom Layer w20: v1(-1085,-45) -940.59,-45 -864.86,30.74 -402.33,30.74 v1(-348.92,-22.68)
NetSO2_9: SO2.9 SO3.14 | length 1438.4
  Top Layer w20: SO2.9@-103.73,-156.02 -103.73,-49.26 v1@-39.47,15 ; 800.96,32.5 796.6,36.86 ; SO3.14@828.77,-156.02 828.77,4.69 796.6,36.86 ; 796.6,36.86 v1(796.6,97.5) 796.6,36.86
  Bottom Layer w20: v1(-36.79,12.32) 268.42,12.32 285.75,-5 445.42,-5 474.44,-34.02 505.56,-34.02 637.08,97.5 v1(796.6,97.5)
NetSO3_9: SO3.9 SO5.14 | length 2497.1
  Top Layer w20: SO3.9@1078.77,-156.02 1078.77,-251.22 1342.55,-515 1722.77,-515 1760,-477.77 1760,4.63 1685.8,78.83 1471.02,78.83 1069.84,480 1069.84,633.1 1099.53,662.78 SO5.14@1131.02,662.78
NetSO5_9: SO5.9 SO6.14 | length 693.1
  Top Layer w10: SO5.9@1151.23,912.78 SO5.9@1157.52,919.07
  Top Layer w20: SO5.9@1131.02,912.78 1069.89,912.78 972.68,1010 972.68,1317.68 1020,1365 SO6.14@1131.02,1365
OSCIN: C6.1 STM.5 Y2.2 | length 951
  Top Layer w10: STM.5@-1523.96,997.2 -1298.5,771.74 -1073.26,771.74 Y2.2@-945,900 -945,920.34 -920.47,944.86 C6.1@-750,944.86
OSCOUT: R8.1 STM.6 | length 374.9
  Top Layer w10: STM.6@-1510.04,1011.12 -1510.04,1010.63 -1482.91,983.5 -1482.91,981.43 -1311.48,810 R8.1@-1219.95,810
RESET: C10.1 R3.2 RES.2 STM.7 | length 1768.2
  Top Layer w10: STM.7@-1496.12,1025.04 -1406.83,935.75 -1406.83,930.63 -1318.84,842.64 -1107.64,842.64 -1007.87,942.4 -1007.87,1446.8 ; R3.2@-1157.3,1195 -1157.3,1199.92 -1154.73,1202.49 -1128.43,1228.79 -1128.43,1326.24 -1007.87,1446.8 ; C10.1@-997.02,1773.6 -997.02,1537.92 RES.2@-984.09,1525 -1007.87,1501.22 -1007.87,1446.8
RST: DZ15.2 P9.7 STM.13 | length 3653.8
  Top Layer w10: STM.13@-1426.52,1175.37 -1370.9,1230.98 -1343.14,1230.98 -1329.75,1217.6 -1329.75,1090.15 -1256.34,1016.73 v1@-1095,1016.73
  Top Layer w25: DZ15.2@550,1972.8 739.37,1972.8 818.71,2052.14 831.57,2052.14 831.57,1856.57 v1@760,1785
  Bottom Layer w10: v1(-1085,1018.15) -985.42,1018.15 -946.97,1056.6 -946.97,1479.82 -772.4,1654.38 -772.4,1812.21 -757.48,1827.13 732.87,1827.13 v1@755,1805
  other v1: 762.68,1797.32
RxComm: ADM.1 R'15.1 Rx.1 STM.31 | length 1383.4
  Top Layer w10: STM.31@-1743.88,1244.96 -1838.92,1340 R'15.1@-1866.72,1340 -1870.65,1343.93 -1870.65,1371.73 -1935,1436.08 -1935,1545 -1916.13,1563.88 -1891.94,1563.88 -1890.7,1565.12 -1801.05,1565.12 -1627.87,1738.31 -1446.26,1738.31 -1414.79,1769.78 -1414.79,1852.98 Rx.1@-1388.6,1879.17 -1399.35,1889.91 -1464.41,1889.91 -1492.02,1917.52 -1623.52,1917.52 ADM.1@-1626.04,1915
SCLK: DZ12.2@1612.16,2040.81 P9.2 STM.15 | length 3953.4
  Top Layer w10: STM.15@-1454.36,1203.21 -1382.71,1274.86 -1313.01,1274.86 -1294.01,1255.85 -1294.01,1134.12 -1259.69,1099.8 -1120.57,1099.8 v1(-1071.45,1148.92)
  Top Layer w20: P9.2@1323.7,2065 1323.7,2057.62 1396.32,1985 1556.35,1985 1590.67,2019.31 1598.54,2019.31 1612.16,2032.94 DZ12.2@1612.16,2040.81
  Bottom Layer w10: v1(-1071.45,1148.92) -982.72,1237.65 -982.72,1494.62 -815,1662.34 -815,1829.44 -781.57,1862.87 1121.57,1862.87 P9.2@1323.7,2065
SDA: DZ11.2@1612.16,2175.49 P9.1 STM.14 | length 3932.1
  Top Layer w10: STM.14@-1440.44,1189.29 -1372.74,1256.98 -1343.86,1256.98 -1311.88,1225 -1311.88,1126.72 -1265.88,1080.71 v1@-1085,1080.71
  Top Layer w20: P9.1@1422.13,2065 1509.54,2065 1612.16,2167.62 DZ11.2@1612.16,2175.49
  Bottom Layer w10: v1(-1083.26,1082.88) -964.84,1201.29 -964.84,1487.22 -797.13,1654.94 -797.13,1822.04 -774.17,1845 1172.02,1845 1361.58,2034.57 1391.69,2034.57 P9.1@1422.13,2065
SI24_0: DT1.2 L1.2 M1.3 P1.10 RJ1.1 T1.3 | length 1500.5
  Top Layer w25: P1.10@-2200.59,-1797.76 -2174.79,-1771.96 -2174.79,-1538.15 -2235,-1477.95 -2235,-1415 -2210.96,-1390.96 -2196.6,-1390.96 -2165.64,-1360 -2197.05,-1328.58 L1.2@-2197.05,-1285 -2200.3,-1281.75 -2200.3,-1272.31 -2230,-1242.61 -2230,-1045.9 -2180.79,-996.69 M1.3@-2180.79,-990.2 ; RJ1.1@-2167.8,-1352.95 RJ1.1@-2155,-1352.95
  Bottom Layer w25: P1.10@-2200.59,-1797.76 -2200.59,-1785.34 -2162.15,-1746.91 -2162.15,-1612.72 -2155,-1605.57 -2155,-1462.27 ; T1.3@-2170,-1395 T1.3@-2169.31,-1395.69 ; DT1.2@-2110.28,-1499.11 -2118.16,-1499.11 -2155,-1462.27 ; T1.3@-2169.31,-1395.69 -2155,-1410 -2155,-1462.27 ; T1.3@-2169.31,-1395.69 -2169.31,-1447.96 -2155,-1462.27
SI24_1: DT2.2 L2.2 M2.3 P1.9 RJ2.1 T2.3 | length 1433.7
  Top Layer w25: P1.9@-2050.59,-1797.76 -2050.59,-1785.34 -2065.29,-1770.64 -2065.29,-1423.84 RJ2.1@-2024.25,-1382.8 ; M2.3@-2025.79,-990.2 -2025.79,-996.69 -2070,-1040.9 -2070,-1255.89 L2.2@-2040.89,-1285 -2040.89,-1353.36 -2032.42,-1361.83 -2032.42,-1374.63 RJ2.1@-2024.25,-1382.8 ; RJ2.1@-2011.46,-1382.8 RJ2.1@-2024.25,-1382.8
  Bottom Layer w25: P1.9@-2050.59,-1797.76 -2050.59,-1785.34 -2012.1,-1746.85 T2.3@-2012.1,-1395 -2011.41,-1395.69 -2011.41,-1445.86 -1958.16,-1499.11 DT2.2@-1950.28,-1499.11
SI24_2: DT3.2 L3.2 M3.3 P1.8 RJ3.1 T3.3 | length 1519
  Top Layer w25: P1.8@-1900.59,-1797.76 -1908.86,-1789.48 -1908.86,-1423.84 RJ3.1@-1867.82,-1382.8 ; L3.2@-1884.73,-1285 RJ3.1@-1884.73,-1365.89 ; M3.3@-1870.79,-990.2 -1870.79,-996.69 -1917.84,-1043.74 -1917.84,-1332.78 RJ3.1@-1884.73,-1365.89 ; RJ3.1@-1855.03,-1382.8 RJ3.1@-1867.82,-1382.8 ; RJ3.1@-1884.73,-1365.89 RJ3.1@-1867.82,-1382.8
  Bottom Layer w25: P1.8@-1900.59,-1797.76 -1900.59,-1787.41 -1854.19,-1741.01 T3.3@-1854.19,-1395 -1853.51,-1395.69 -1853.51,-1443.76 -1798.16,-1499.11 DT3.2@-1790.28,-1499.11
SI24_3: DT4.2 L4.2 M4.3 P1.7 RJ4.1 T4.3 | length 1445.7
  Top Layer w25: P1.7@-1750.59,-1797.76 -1752.43,-1795.91 -1752.43,-1423.84 -1744.59,-1416 -1744.59,-1419.59 RJ4.1@-1710,-1385 ; M4.3@-1715.79,-990.2 -1715.79,-996.69 -1760,-1040.9 -1760,-1265 -1734.28,-1290.72 -1710,-1315 RJ4.1@-1710,-1385 ; RJ4.1@-1698.6,-1382.8 -1700.8,-1385 RJ4.1@-1710,-1385
  Bottom Layer w25: P1.7@-1750.59,-1797.76 -1696.29,-1743.45 T4.3@-1696.29,-1395 -1695.6,-1395.69 -1695.6,-1441.67 -1638.16,-1499.11 DT4.2@-1630.28,-1499.11
SI24_4: DT5.2 L5.2@-1572.4,-1285 M5.3 P1.6 RJ5.1 T5.3 | length 1443.7
  Top Layer w20: P1.6@-1600.59,-1797.76 -1600.59,-1428.43 RJ5.1@-1554.96,-1382.8 ; M5.3@-1560.79,-990.2 -1560.79,-998.07 -1605,-1042.28 -1605,-1252.4 L5.2@-1572.4,-1285 -1565.63,-1291.77 -1565.63,-1372.13 RJ5.1@-1554.96,-1382.8 ; RJ5.1@-1542.17,-1382.8 RJ5.1@-1554.96,-1382.8
  Bottom Layer w20: P1.6@-1600.59,-1797.76 -1538.39,-1735.55 T5.3@-1538.39,-1395 -1536.58,-1396.81 -1536.58,-1440.69 -1478.16,-1499.11 DT5.2@-1470.28,-1499.11
SI24_5: DT6.2 L6.2 M6.3 P1.5 RJ6.1 T6.3 | length 1447
  Top Layer w20: P1.5@-1450.59,-1797.76 -1442.3,-1789.46 -1442.3,-1426.56 RJ6.1@-1398.53,-1382.8 ; M6.3@-1405.79,-990.2 -1405.79,-998.07 -1445.02,-1037.3 -1445.02,-1243.88 -1443.9,-1245 -1443.9,-1257.34 L6.2@-1416.24,-1285 -1409.2,-1292.03 -1409.2,-1372.13 RJ6.1@-1398.53,-1382.8 ; RJ6.1@-1385.74,-1382.8 RJ6.1@-1398.53,-1382.8
  Bottom Layer w20: P1.5@-1450.59,-1797.76 -1380.48,-1727.65 T6.3@-1380.48,-1395 -1378.67,-1396.81 -1378.67,-1438.6 -1318.16,-1499.11 DT6.2@-1310.28,-1499.11
SI24_6: DT7.2 L7.2 M7.3 P1.4 RJ7.1 T7.3 | length 1461.8
  Top Layer w25: P1.4@-1300.59,-1797.76 -1292.52,-1789.68 -1292.52,-1433.21 -1242.1,-1382.8 -1229.31,-1382.8 -1237.14,-1374.96 -1237.14,-1307.93 L7.2@-1260.07,-1285 -1292.52,-1252.55 -1292.52,-1038.42 -1250.79,-996.69 M7.3@-1250.79,-990.2
  Bottom Layer w25: P1.4@-1300.59,-1797.76 -1222.58,-1719.74 T7.3@-1222.58,-1395 -1221.89,-1395.69 -1221.89,-1435.38 -1158.16,-1499.11 DT7.2@-1150.28,-1499.11
SI24_7: DT8.2 L8.2 M8.3 P1.3 RJ8.1 T8.3 | length 1465.9
  Top Layer w20: P1.3@-1150.59,-1797.76 -1150.59,-1732.32 -1124.63,-1706.36 -1124.63,-1421.75 RJ8.1@-1085.67,-1382.8 ; M8.3@-1095.79,-990.2 -1095.79,-998.07 -1140,-1042.28 -1140,-1248.91 L8.2@-1103.91,-1285 -1103.91,-1351.76 -1096.34,-1359.33 -1096.34,-1372.13 RJ8.1@-1085.67,-1382.8 ; RJ8.1@-1072.88,-1382.8 RJ8.1@-1085.67,-1382.8
  Bottom Layer w20: P1.3@-1150.59,-1797.76 -1064.68,-1711.84 T8.3@-1064.68,-1395 -1062.87,-1396.81 -1062.87,-1434.4 -998.16,-1499.11 DT8.2@-990.28,-1499.11
SI24_8: DT9.2 L9.2 M9.3 P1.2 RJ9.1 T9.3 | length 1474.5
  Top Layer w20: P1.2@-1000.59,-1797.76 -1000.59,-1495.01 -968.2,-1462.62 -968.2,-1421.75 -929.24,-1382.8 -916.45,-1382.8 -922.84,-1376.4 -947.74,-1351.5 L9.2@-947.74,-1285 -980.02,-1252.73 -980.02,-1037.3 -940.79,-998.07 M9.3@-940.79,-990.2
  Bottom Layer w20: P1.2@-1000.59,-1797.76 -906.77,-1703.94 T9.3@-906.77,-1395 -904.96,-1396.81 -904.96,-1432.31 -838.16,-1499.11 DT9.2@-830.28,-1499.11
SI24_9: DT10.2 L10.2 M10.3 P1.1 RJ10.1 T10.3 | length 1481.9
  Top Layer w20: P1.1@-850.59,-1797.76 -850.59,-1732.32 -817.04,-1698.77 -817.04,-1427.02 -772.81,-1382.8 -760.02,-1382.8 -760.02,-1374.71 -791.58,-1343.14 L10.2@-791.58,-1285 -825.02,-1251.56 -825.02,-1037.3 -785.79,-998.07 M10.3@-785.79,-990.2
  Bottom Layer w20: P1.1@-850.59,-1797.76 -748.87,-1696.04 T10.3@-748.87,-1395 -747.06,-1396.81 -747.06,-1430.21 -678.16,-1499.11 DT10.2@-670.28,-1499.11
SI24_10: DT11.2 L11.2 M11.3 P2.10 RJ11.1 T11.3 | length 1450.3
  Top Layer w20: M11.3@-630.79,-990.2 -630.79,-998.07 -670.02,-1037.3 -670.02,-1250.4 L11.2@-635.42,-1285 -635.42,-1350.97 -627.05,-1359.33 -627.05,-1372.13 RJ11.1@-616.38,-1382.8 ; P2.10@-609.69,-1797.76 -609.69,-1625.28 -654.93,-1580.05 -654.93,-1421.34 RJ11.1@-616.38,-1382.8 ; RJ11.1@-603.59,-1382.8 RJ11.1@-616.38,-1382.8
  Bottom Layer w20: P2.10@-609.69,-1797.76 -602.68,-1797.76 -590.97,-1786.04 T11.3@-590.97,-1395 -589.16,-1396.81 -589.16,-1428.11 -518.16,-1499.11 DT11.2@-510.28,-1499.11
SI24_11: DT12.2 L12.2 M12.3 P2.9 RJ12.1 T12.3 | length 1452.4
  Top Layer w20: M12.3@-475.79,-990.2 -475.79,-998.07 -520,-1042.28 -520,-1244.25 L12.2@-479.25,-1285 -479.25,-1363.49 RJ12.1@-459.95,-1382.8 ; P2.9@-459.69,-1797.76 -459.69,-1628.46 -498.5,-1589.66 -498.5,-1421.34 RJ12.1@-459.95,-1382.8 ; RJ12.1@-447.16,-1382.8 RJ12.1@-459.95,-1382.8
  Bottom Layer w20: P2.9@-459.69,-1797.76 -459.69,-1783.99 -433.06,-1757.36 T12.3@-433.06,-1395 -431.25,-1396.81 -431.25,-1426.02 -358.16,-1499.11 DT12.2@-350.28,-1499.11
SI24_12: DT13.2 L13.2 M13.3 P2.8 RJ13.1 T13.3 | length 1454.4
  Top Layer w20: M13.3@-320.79,-990.2 -320.79,-998.07 -365,-1042.28 -365,-1243.09 L13.2@-323.09,-1285 -323.09,-1363.23 RJ13.1@-303.52,-1382.8 ; P2.8@-309.69,-1797.76 -342.07,-1765.38 -342.07,-1421.34 RJ13.1@-303.52,-1382.8 ; RJ13.1@-290.73,-1382.8 RJ13.1@-303.52,-1382.8
  Bottom Layer w20: P2.8@-309.69,-1797.76 -309.69,-1783.99 -275.16,-1749.46 T13.3@-275.16,-1395 -273.35,-1396.81 -273.35,-1423.92 -198.16,-1499.11 DT13.2@-190.28,-1499.11
SI24_13: DT14.2 L14.2 M14.3 P2.7 RJ14.1 T14.3 | length 1452.4
  Top Layer w20: M14.3@-165.79,-990.2 -165.79,-998.07 -205.02,-1037.3 -205.02,-1246.91 L14.2@-166.93,-1285 -157.76,-1294.16 -157.76,-1372.13 RJ14.1@-147.09,-1382.8 ; P2.7@-159.69,-1797.76 -185.64,-1771.81 -185.64,-1421.34 RJ14.1@-147.09,-1382.8 ; RJ14.1@-134.3,-1382.8 RJ14.1@-147.09,-1382.8
  Bottom Layer w20: P2.7@-159.69,-1797.76 -159.69,-1790.09 -117.26,-1747.66 T14.3@-117.26,-1395 -115.45,-1396.81 -115.45,-1421.82 -38.16,-1499.11 DT14.2@-30.28,-1499.11
SI24_14: DT15.2 L15.2 M15.3 P2.6 RJ15.1 T15.3 | length 1454.5
  Top Layer w20: M15.3@-10.79,-990.2 -10.79,-998.07 -50.02,-1037.3 -50.02,-1245.75 L15.2@-10.76,-1285 -10.76,-1362.7 RJ15.1@9.34,-1382.8 ; P2.6@-9.69,-1797.76 -29.21,-1778.24 -29.21,-1421.34 RJ15.1@9.34,-1382.8 ; RJ15.1@22.13,-1382.8 RJ15.1@9.34,-1382.8
  Bottom Layer w20: P2.6@-9.69,-1797.76 40.64,-1747.42 T15.3@40.64,-1395 42.45,-1396.81 42.45,-1419.72 121.84,-1499.11 DT15.2@129.72,-1499.11
SI24_15: DT16.2 L16.2 M16.3 P2.5 RJ16.1 T16.3 | length 1456.5
  Top Layer w20: P2.5@140.31,-1797.76 127.22,-1784.67 127.22,-1456.93 155.1,-1429.05 155.1,-1393.46 RJ16.1@165.77,-1382.8 ; M16.3@144.21,-990.2 144.21,-998.07 104.98,-1037.3 104.98,-1244.58 L16.2@145.4,-1285 145.4,-1362.43 RJ16.1@165.77,-1382.8 ; RJ16.1@178.56,-1382.8 RJ16.1@165.77,-1382.8
  Bottom Layer w20: P2.5@140.31,-1797.76 198.55,-1739.51 T16.3@198.55,-1395 200.36,-1396.81 200.36,-1417.63 281.84,-1499.11 DT16.2@289.72,-1499.11
SI24_16: DT17.2 L17.2 M17.3 P2.4 RJ17.1 T17.3 | length 1467.1
  Top Layer w25: P2.4@290.31,-1797.76 281.15,-1788.6 281.15,-1455.89 314.03,-1423.02 314.03,-1390.96 322.2,-1382.8 RJ17.1@332.67,-1382.8 ; M17.3@299.21,-990.2 299.21,-996.69 257.48,-1038.42 257.48,-1238.3 268.45,-1249.27 268.45,-1251.89 L17.2@301.56,-1285 324.5,-1307.93 324.5,-1374.63 RJ17.1@332.67,-1382.8 ; RJ17.1@334.99,-1382.8 RJ17.1@332.67,-1382.8
  Bottom Layer w25: P2.4@290.31,-1797.76 356.45,-1731.61 T17.3@356.45,-1395 357.14,-1395.69 357.14,-1414.41 441.84,-1499.11 DT17.2@449.72,-1499.11
SI24_17: DT18.2 L18.2 M18.3 P2.3 RJ18.1 T18.3 | length 1466.9
  Top Layer w25: P2.3@440.31,-1797.76 437.58,-1795.03 437.58,-1423.84 RJ18.1@478.63,-1382.8 ; M18.3@454.21,-990.2 454.21,-996.69 410,-1040.9 410,-1234.65 424.61,-1249.27 424.61,-1251.89 457.73,-1285 457.73,-1361.9 RJ18.1@478.63,-1382.8 ; RJ18.1@491.42,-1382.8 RJ18.1@478.63,-1382.8
  Bottom Layer w25: P2.3@440.31,-1797.76 514.35,-1723.71 T18.3@514.35,-1395 515.04,-1395.69 515.04,-1412.31 601.84,-1499.11 DT18.2@609.72,-1499.11
SI24_18: DT19.2 L19.2 M19.3 P2.2 RJ19.1 T19.3 | length 1453.8
  Top Layer w25: P2.2@590.31,-1797.76 590.31,-1440.34 626.89,-1403.76 626.89,-1390.96 RJ19.1@635.06,-1382.8 ; M19.3@609.21,-990.2 609.21,-996.69 567.48,-1038.42 567.48,-1235.97 580.78,-1249.27 580.78,-1251.89 L19.2@613.89,-1285 617.14,-1288.25 617.14,-1314.88 626.89,-1324.63 626.89,-1374.63 RJ19.1@635.06,-1382.8 ; RJ19.1@647.85,-1382.8 RJ19.1@635.06,-1382.8
  Bottom Layer w25: P2.2@590.31,-1797.76 590.31,-1765.32 672.95,-1682.68 672.95,-1395.69 T19.3@672.26,-1395 ; T19.3@673.79,-1411.06 761.84,-1499.11 DT19.2@769.72,-1499.11
SI24_19: DT20.2 L20.2 M20.3 P2.1 RJ20.1 T20.3 | length 1475.3
  Top Layer w20: P2.1@740.31,-1797.76 740.31,-1732.32 752.53,-1720.1 752.53,-1421.75 RJ20.1@791.49,-1382.8 ; M20.3@764.21,-990.2 764.21,-998.07 724.98,-1037.3 724.98,-1239.93 L20.2@770.05,-1285 770.05,-1361.36 RJ20.1@791.49,-1382.8 ; RJ20.1@804.28,-1382.8 RJ20.1@791.49,-1382.8
  Bottom Layer w20: P2.1@740.31,-1797.76 830.16,-1707.9 T20.3@830.16,-1395 831.97,-1396.81 831.97,-1409.24 921.84,-1499.11 DT20.2@929.72,-1499.11
SI24_20: DT21.2 L21.2 M21.3 P3.4 RJ21.1 T21.3 | length 1454.7
  Top Layer w25: M21.3@919.21,-990.2 919.21,-996.69 877.48,-1038.42 877.48,-1233.64 893.11,-1249.27 893.11,-1251.89 L21.2@926.22,-1285 926.22,-1361.1 RJ21.1@947.92,-1382.8 ; RJ21.1@960.71,-1382.8 RJ21.1@947.92,-1382.8 ; P3.4@989.04,-1795 989.04,-1660.33 906.87,-1578.16 906.87,-1455.89 939.75,-1423.02 939.75,-1390.96 RJ21.1@947.92,-1382.8
  Bottom Layer w25: T21.3@988.06,-1395 T21.3@988.55,-1395.49 ; T21.3@988.75,-1395.69 T21.3@988.75,-1406.02 ; P3.4@989.04,-1795 988.75,-1794.71 T21.3@988.75,-1406.02 ; DT21.2@1089.72,-1499.11 1081.84,-1499.11 T21.3@988.75,-1406.02
SI24_21: DT22.2 L22.2 M22.3 P3.3 RJ22.1 T22.3 | length 1467.6
  Top Layer w25: M22.3@1074.21,-990.2 1074.21,-996.69 1032.48,-1038.42 1032.48,-1232.48 1049.27,-1249.27 1049.27,-1251.89 L22.2@1082.38,-1285 1082.38,-1360.83 RJ22.1@1104.35,-1382.8 ; RJ22.1@1117.14,-1382.8 RJ22.1@1104.35,-1382.8 ; P3.3@1139.04,-1795 1139.04,-1696.79 1063.3,-1621.05 1063.3,-1423.84 RJ22.1@1104.35,-1382.8
  Bottom Layer w25: P3.3@1139.04,-1795 1145.97,-1788.07 T22.3@1145.97,-1395 1146.66,-1395.69 1146.66,-1403.93 1241.84,-1499.11 DT22.2@1249.72,-1499.11